# Altium PCB 相敏检波器.PcbDoc
Units mm, origin at the board's own origin, x right, y up, seen from the top; angles counter-clockwise.
Board outline 50 x 40 mm, 2 copper layers (Top Layer, Bottom Layer); 24 components, 11 nets, 71 pads, 16 vias.
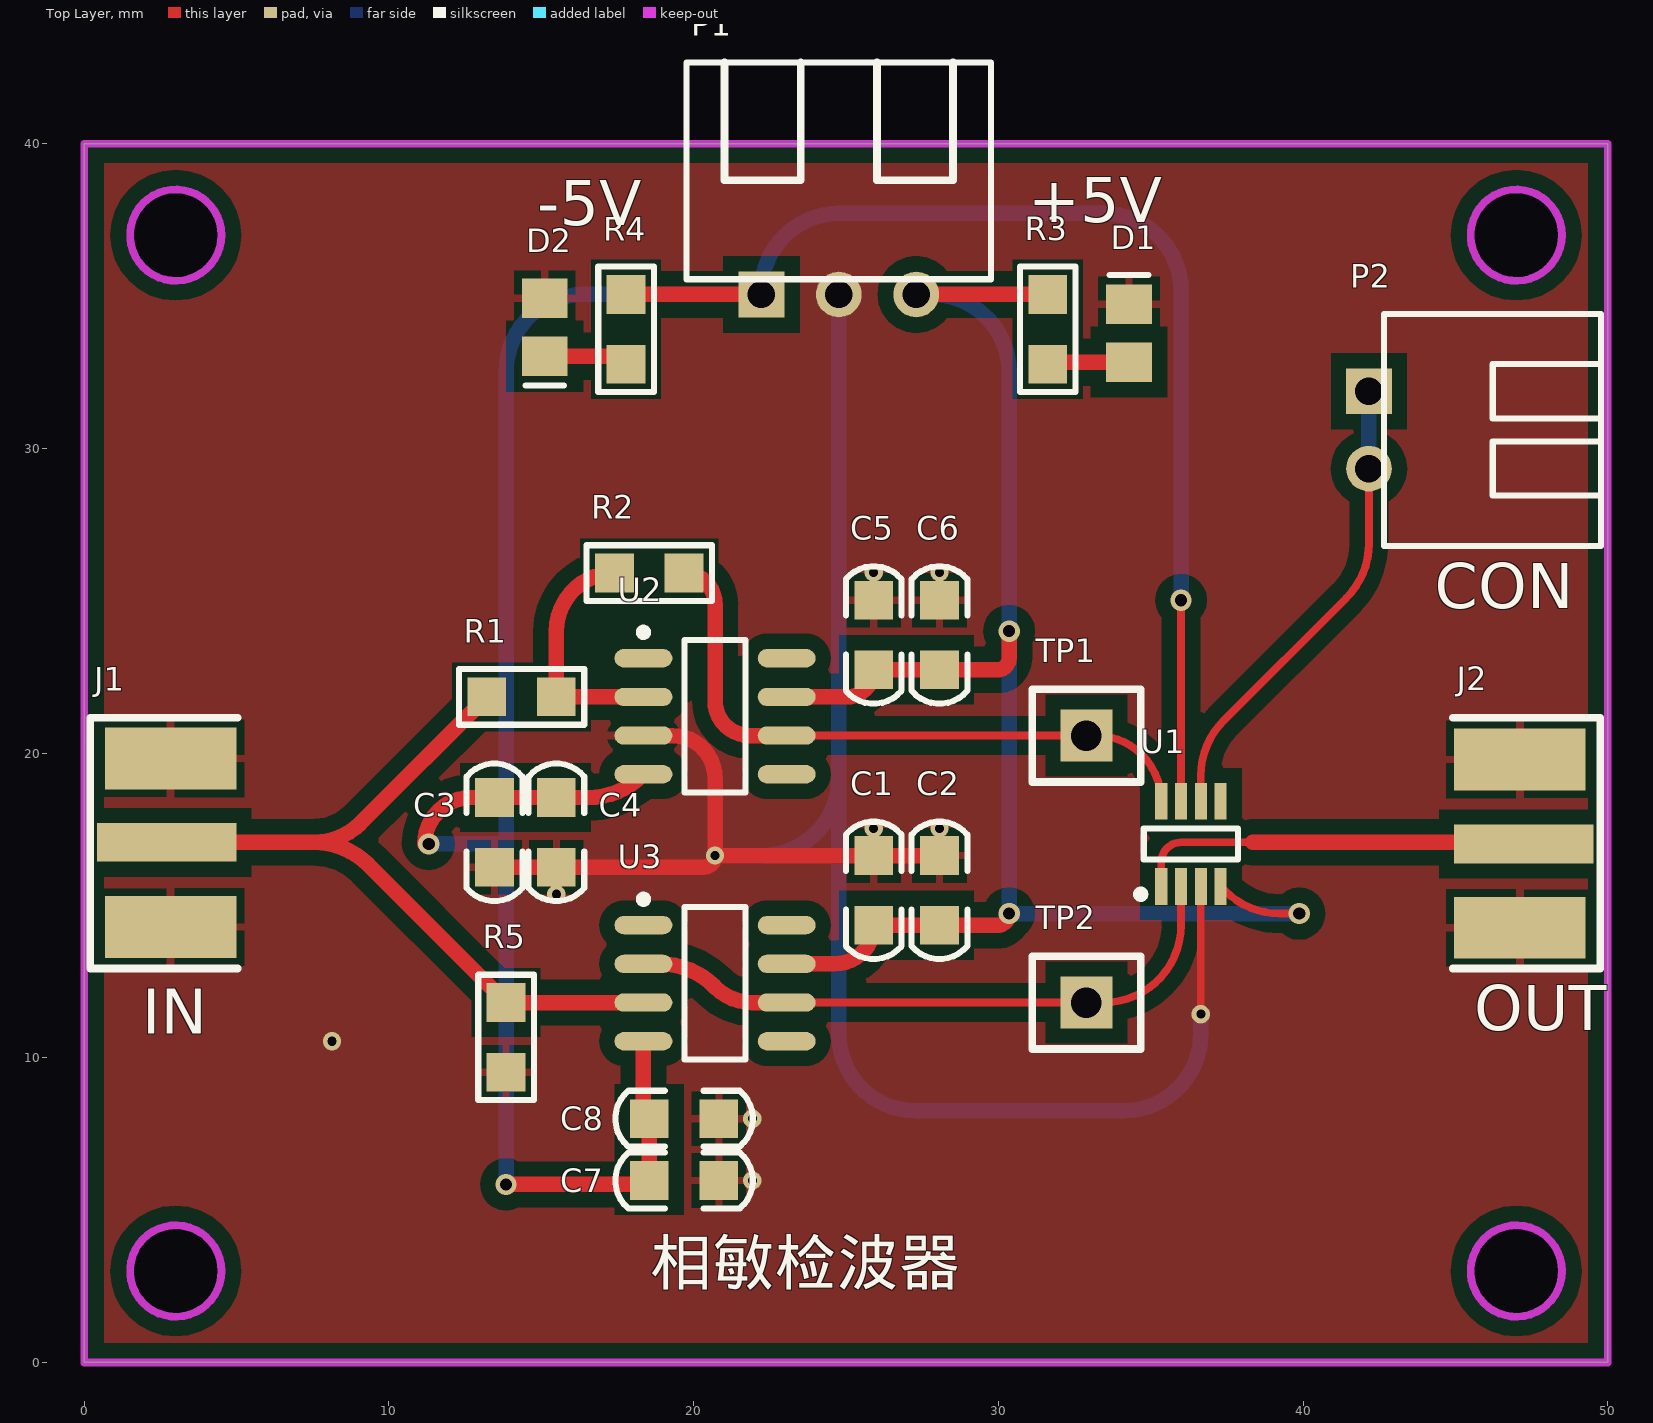
[diagram p0: Top Layer view]
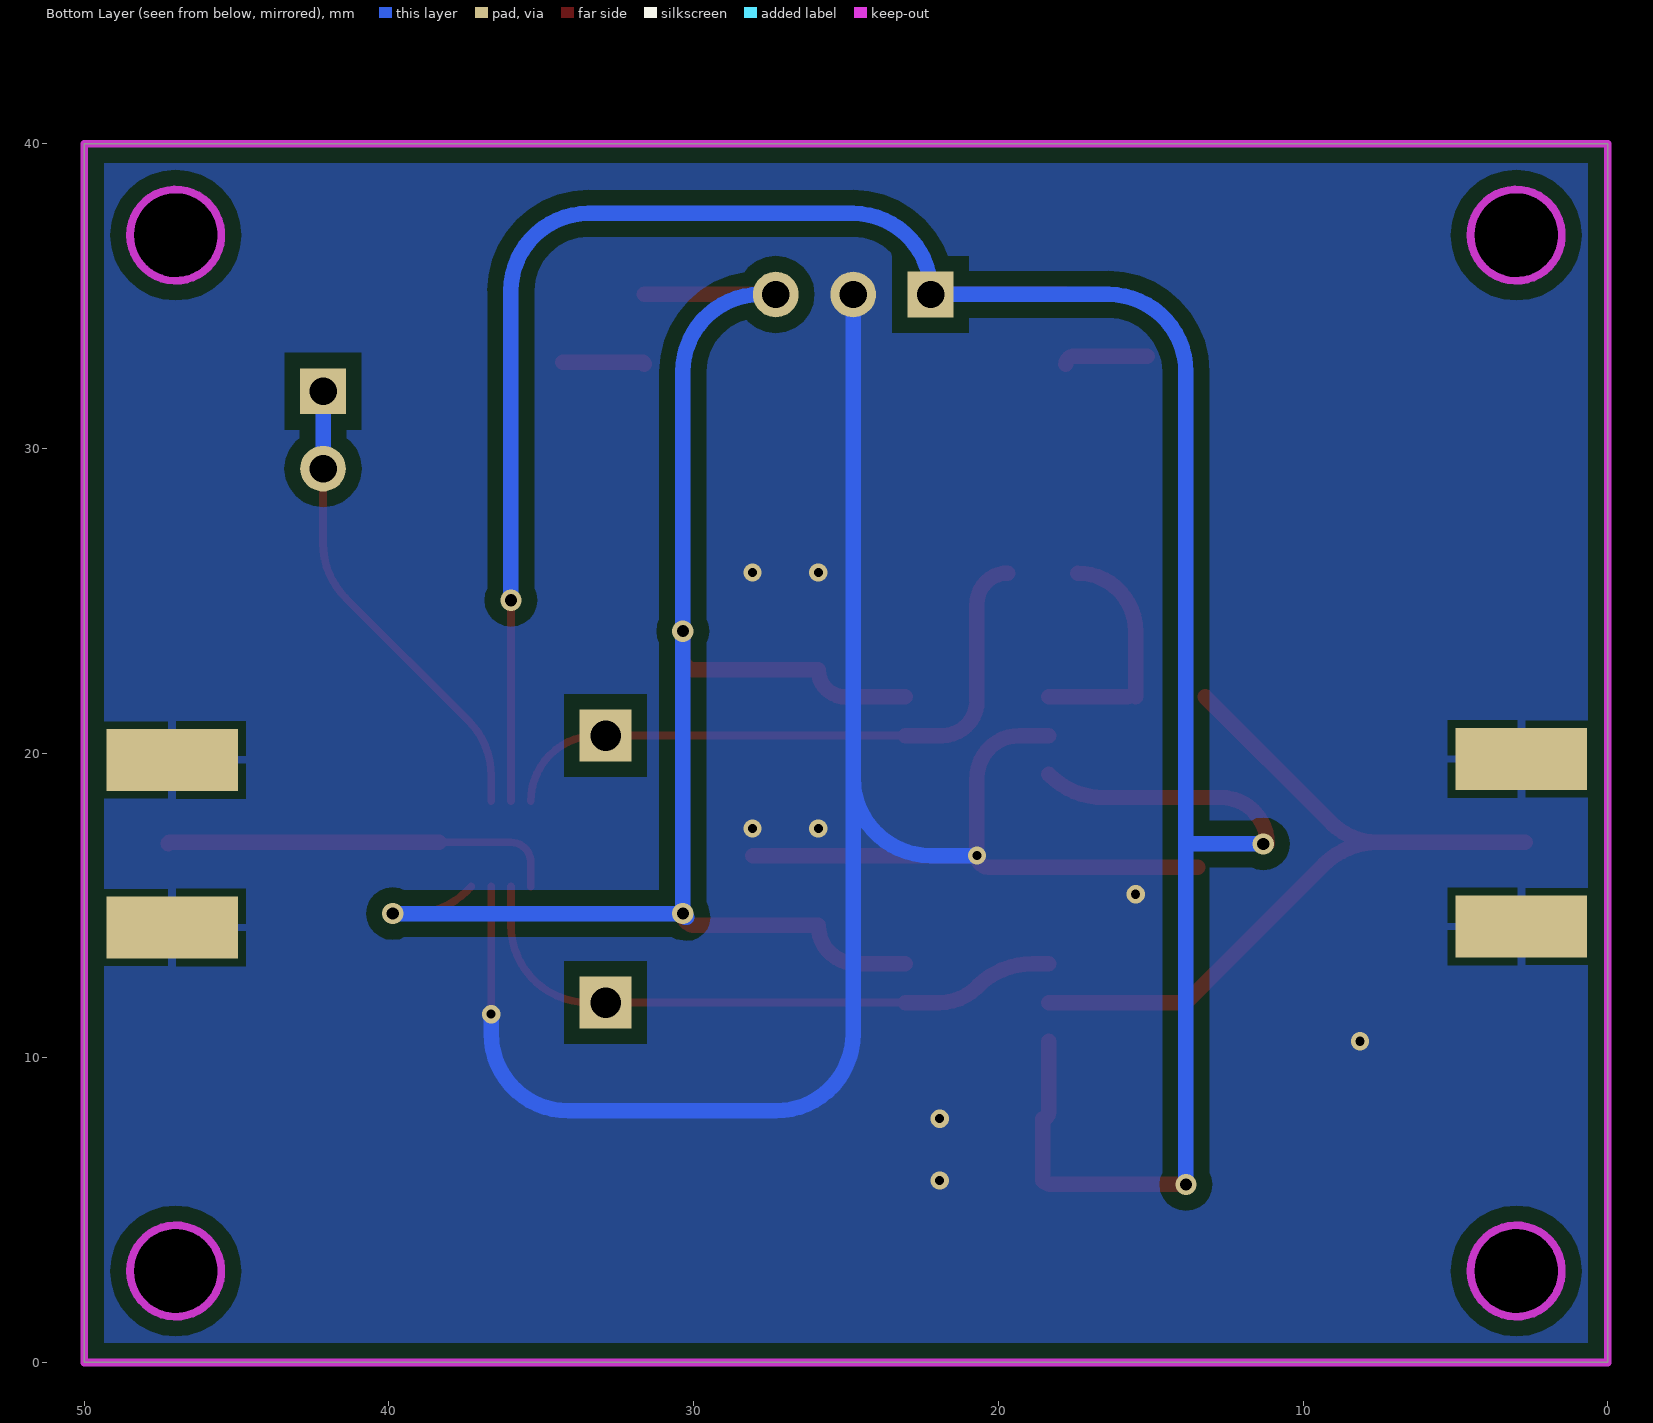
[diagram p1: Bottom Layer view, seen from below]
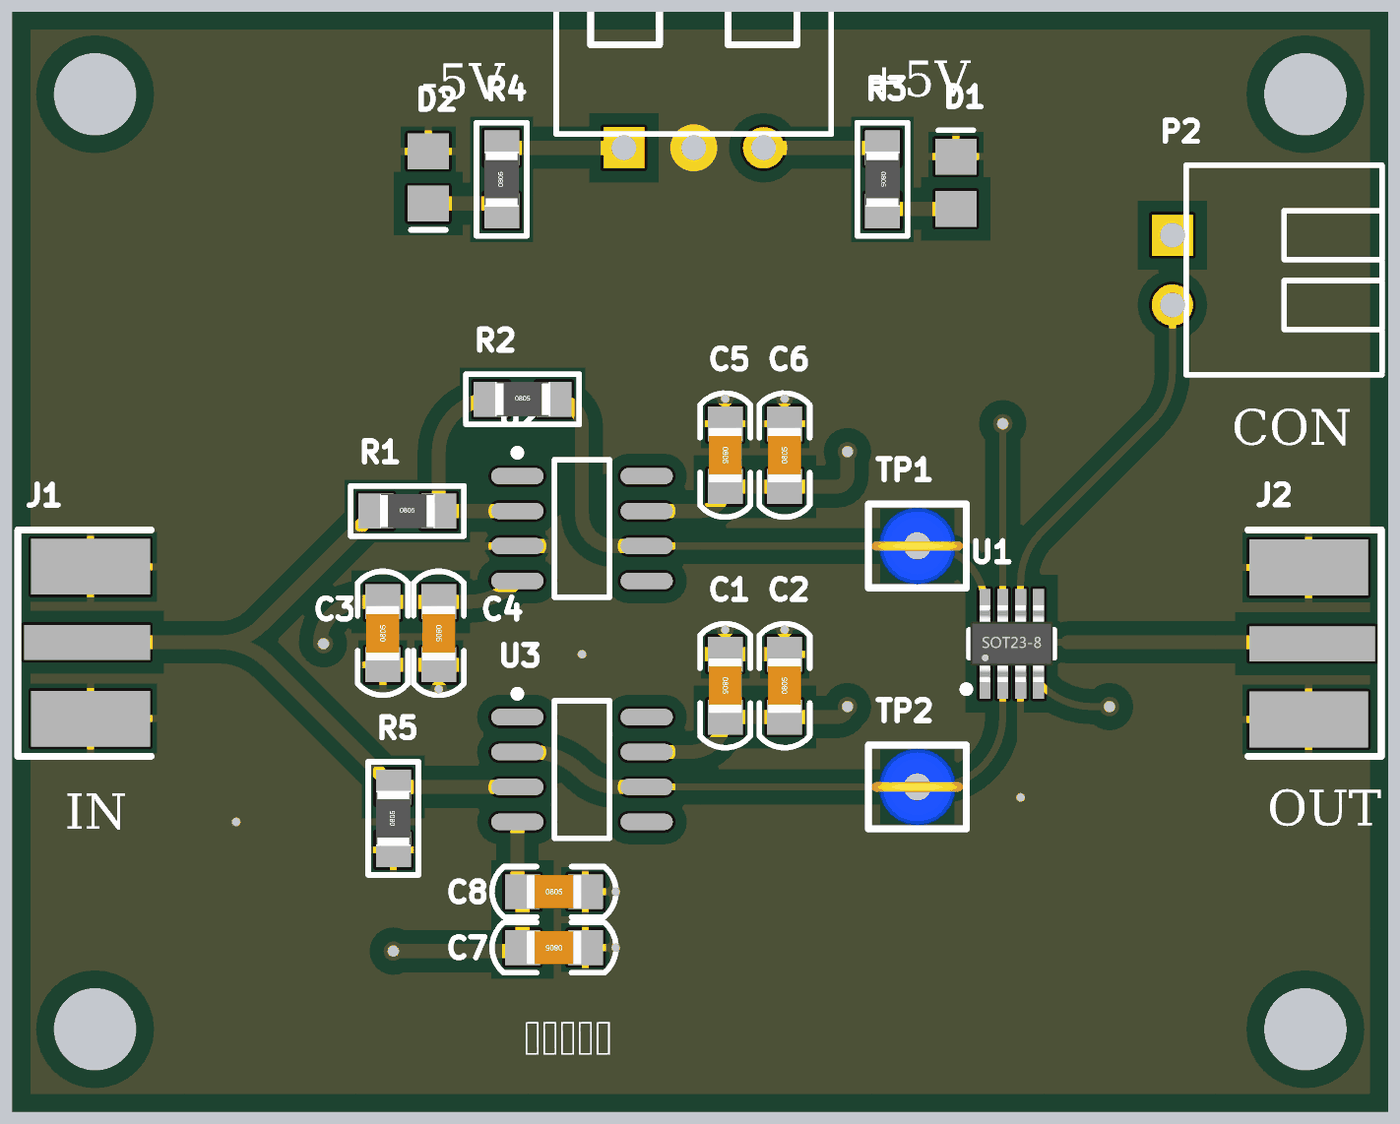
[diagram p2: 3D render of the assembled board from above, using the file's embedded part models]

## Layer stack, top to bottom
Top Solder: solder mask 0.0102, Solder Resist, Dk 3.5
Top Layer: signal copper 0.0356
Dielectric 1: dielectric 0.32, FR-4, Dk 4.8
Bottom Layer: signal copper 0.0356
Bottom Solder: solder mask 0.0102, Solder Resist, Dk 3.5

## Board outline
0,0 50,0 50,40 0,40
cut-out: 3,1.5 cw(c3,3) 1.5,3 cw(c3,3) 3,4.5 cw(c3,3) 4.5,3 cw(c3,3)
cut-out: 45.5,3 ccw(c47,3) 47,1.5 ccw(c47,3) 48.5,3 ccw(c47,3) 47,4.5 ccw(c47,3)
cut-out: 45.5,37 ccw(c47,37) 47,35.5 ccw(c47,37) 48.5,37 ccw(c47,37) 47,38.5 ccw(c47,37)
cut-out: 3,35.5 cw(c3,37) 1.5,37 cw(c3,37) 3,38.5 cw(c3,37) 4.5,37 cw(c3,37)

## Design rules (kind name [scope] priority, off if disabled: settings)
Clearance [All] p1: gap=0.203 ignorepadtopadclearanceinfootprint=FALSE except(0.508: Arc-Poly Track-Poly SMDPad-Poly THPad-Poly Via-Poly Fill-Poly Poly-Poly)
PolygonConnect [All] p1: thpad.connectstyle=Direct thpad.reliefconductorwidth=0.254 thpad.reliefentries=4 thpad.polygonreliefangle="90 Angle" thpad.airgapwidth=0.254 smdpad.connectstyle=Relief smdpad.reliefconductorwidth=0.254 smdpad.reliefentries=4 smdpad.polygonreliefangle="90 Angle" smdpad.airgapwidth=0.254 via.connectstyle=Direct via.reliefconductorwidth=0.254 via.reliefentries=4 via.polygonreliefangle="90 Angle" via.airgapwidth=0.254
RoutingVias [All] p1: holewidth=0.711 width=1.778 viastyle="Through Hole" minholewidth=0.3 minwidth=0.6 maxholewidth=0.711 maxwidth=2.54
SolderMaskExpansion [All] p1: expansion=0.102
Width [All] p1: maxlimit=1.27 minlimit=0.254 preferedwidth=0.508
30 further rules are at their usual default settings.

## Components (designator, comment, footprint, x,y, rotation, side; value= is the part's Value field where it differs from the comment)
C1 "104" "C 0805" 25.908,15.494 r270 top
C2 "6.8uf" "C 0805" 28.067,15.494 r90 top
C3 "104" "C 0805" 13.462,17.399 r90 top
C4 "6.8uf" "C 0805" 15.494,17.399 r270 top
C5 "104" "C 0805" 25.908,23.876 r270 top
C6 "6.8uf" "C 0805" 28.067,23.876 r90 top
C7 "104" "C 0805" 19.685,5.969 r180 top
C8 "6.8uf" "C 0805" 19.685,8.001 r0 top
D1 "LED" LED_0805 34.29,33.782 r90 top
D2 "LED" LED_0805 15.113,33.975 r270 top
J1 "COAX" MCX5.08-5-H 2.707,17.069 r180 top
J2 "COAX" MCX5.08-5-H 47.244,17.018 r0 top
P1 "Header 3" HDR3X1_B2 24.765,35.052 r0 top
P2 "Header 2" HDR2X1_B2 42.164,31.877 r270 top
R1 "20K" "R 0805" 14.351,21.844 r0 top
R2 "20K" "R 0805" 18.542,25.908 r0 top
R3 "1K" "R 0805" 31.623,33.909 r270 top
R4 "1K" "R 0805" 17.78,33.909 r90 top
R5 "1M" "R 0805" 13.843,10.668 r90 top
TP1 "TEST TP" "TEST TP1.4_B" 32.893,20.574 r0 top
TP2 "TEST TP" "TEST TP1.4_B" 32.893,11.811 r0 top
U1 "TS12A12511" SOT23-8N 36.322,17.018 r0 top
U2 "OP07" SO8_L 20.701,21.209 r0 top
U3 "OP07" SO8_L 20.701,12.446 r0 top

## Footprints (in the part's own frame and the unit in brackets; to place one, negate y for a bottom-side part, rotate by r counter-clockwise, add the part's x,y. Pads: shape width x height; smd on the part's side, far side on the other; paste and mask are expansions set on the pad)
"C 0805" [mil] "无极性贴片电容"
  rect 50x50 smd: 1(-45,0) 2(45,0)
  silkscreen extent -89,-36 89,36, body extent -39,-24 39,24, height 20
HDR2X1_B2 [mm] "Connector; Header; 4 Position"
  rect 1.5x1.5 hole 0.9: 1(0,0)
  round 1.5 hole 0.9: 2(2.54,0)
  silkscreen extent -2.54,0.5 5.08,7.62, body extent -2.54,0.38 5.08,7.62, height 5.5
HDR3X1_B2 [mm] "Connector; Header; 3 Position"
  rect 1.5x1.5 hole 0.9: 1(-2.54,0)
  round 1.5 hole 0.9: 2(0,0) 3(2.54,0)
  silkscreen extent -5,0.5 5,7.62, body extent -5,0.5 5,7.62, height 6
LED_0805 [mm] "贴片二极管"
  rect 1.3x1.5 smd: 1(-0.95,0) 2(0.95,0)
  silkscreen extent 1.91,-0.63 1.91,0.64
MCX5.08-5-H [mil]
  rect 180x50 smd: 1(0,0)
  rect 170x80 smd: 2(-5,109.25) 5(-5,-108.27)
  rect 170x80 smd far side: 3(-5,108.66) 4(-5,-107.87)
  silkscreen extent -92,-161 99,163, body extent -93,-132 80,134, height 39
"R 0805" [mil] "1/8W贴片电阻"
  rect 50x50 smd: 1(-45,0) 2(45,0)
  silkscreen extent -81,-36 81,36, body extent -39,-25 39,25, height 20
SO8_L [mm] "SOIC, 8-Leads, Body 4.9x3.9mm, Pitch 1.27mm, IPC High Density"
  oval 1.9x0.6 smd: 1(-2.35,1.905) 2(-2.35,0.635) 3(-2.35,-0.635) 4(-2.35,-1.905) 5(2.35,-1.905) 6(2.35,-0.635) 7(2.35,0.635) 8(2.35,1.905)
  silkscreen extent -2.47,-2.5 1,2.88, body extent -2,-2.5 2,2.5, height 1.75
SOT23-8N [mm] "3x1.6x1.1mm(长宽高)"
  rect 0.4x1.2 smd: 1(-0.975,-1.397) 2(-0.325,-1.397) 3(0.325,-1.397) 4(0.975,-1.397) 5(0.975,1.397) 6(0.325,1.397) 7(-0.325,1.397) 8(-0.975,1.397)
  silkscreen extent -1.78,-1.78 1.55,0.51, body extent -1.5,-1.4 1.5,1.4, height 1.15
"TEST TP1.4_B" [mm] "蓝色，测试环"
  rect 1.7x1.7 hole 1: 1(0,0)
  silkscreen extent -1.78,-1.52 1.78,1.52, body extent -1.67,-1.4 1.67,1.4, height 5.41

## Part data
C1 C2 C3 C4 C5 C6 C7 C8: library part C, "无极性贴片电容"
D1 D2: "发光二极管", LatestRevisionDate=08-Jul-2005, LatestRevisionNote="Mech Layer 1 removed.", PackageReference=LED, Published=8-Jun-2000, Publisher="Altium Limited"
P1 P2: "接插件", LatestRevisionDate=17-Jul-2002, LatestRevisionNote="Re-released for DXP Platform.", Publisher="Altium Limited"
R1 R2 R3 R4 R5: library part R, "贴片电阻"
TP1 TP2: "测试环"
U1: "具有负信号功能的 5Ω 单通道 SPDT 开关"
U2 U3: "Precision Operational Amplifiers"

## Via types
v1: diameter 0.6, hole 0.3, Top Layer to Bottom Layer, tented both sides, 10 vias
v2: diameter 0.7, hole 0.4, Top Layer to Bottom Layer, tented both sides, 6 vias

## Nets (pads, with @x,y where several pads share a name; then routed paths per layer and width w, separated by ;. In a path a pad name is that pad's centre, name@x,y a point inside that pad or via, vN(x,y) a via of type N, cw(c..) or ccw(c..) an arc to the next point about the centre after c; other vN are vias at no path point)
GND: C1.1 C2.2 C3.1 C4.2 C5.1 C6.2 C7.1 C8.2 D1.2 D2.1 J1.2 J1.3 J1.4 J1.5 J2.2 J2.3 J2.4 J2.5 P1.2 R5.1 U1.3 U2.3 | length 69.9
  Top Layer w0.254: v1(36.647,11.43) U1.3
  Top Layer w0.508: C3.1 C4.2 20.32,16.256 ccw(c20.32,16.637) v1(20.701,16.637) ; U2.3 19.304,20.574 cw(c19.304,19.177) 20.701,19.177 v1(20.701,16.637) ; C2.2 C1.1 v1(20.701,16.637)
  Bottom Layer w0.508: v1(20.701,16.637) 22.225,16.637 ccw(c22.225,19.177) 24.765,19.177 ; P1.2 24.765,19.177 ; v1(36.647,11.43) 36.647,10.795 cw(c34.107,10.795) 34.107,8.255 27.305,8.255 cw(c27.305,10.795) 24.765,10.795 24.765,19.177
  other v1: 21.927,5.969 21.927,8.001 8.128,10.541 15.494,15.367 25.908,17.527 28.067,17.527 25.908,25.925 28.067,25.925
NetD1_1: D1.1 R3.2 | length 2.7
  Top Layer w0.508: R3.2 cw(c31.689,32.766) 31.689,32.832 D1.1
NetD2_2: D2.2 R4.1 | length 2.8
  Top Layer w0.508: D2.2 17.521,33.025 cw(c17.521,32.766) R4.1
NetJ1_1: J1.1 R1.1 R5.2 U3.3 | length 25.3
  Top Layer w0.508: J1.1 7.533,17.069 ; R1.1 9.069,17.705 cw(c7.533,19.241) 7.533,17.069 ; U3.3 R5.2 9.329,16.325 ccw(c7.533,14.529) 7.533,17.069
NetJ2_1: J2.1 U1.1 | length 13.1
  Top Layer w0.254: U1.1 35.347,16.419 cw(c35.997,16.419) 35.997,17.069 38.354,17.069
  Top Layer w0.508: 38.354,17.069 47.193,17.069 cw(c47.193,17.018) J2.1
NetP2_1: P2.1 P2.2 U1.6 | length 15.5
  Top Layer w0.254: U1.6 36.647,19.263 cw(c39.187,19.263) 37.391,21.059 41.42,25.088 ccw(c39.624,26.884) 42.164,26.884 P2.2
  Bottom Layer w0.508: P2.2 P2.1
NetR1_2: R1.2 R2.1 U2.2 | length 7.8
  Top Layer w0.508: R1.2 15.494,24.003 cw(c17.399,24.003) R2.1 ; R1.2@15.748,21.844 U2.2
NetR2_2: R2.2 TP1.1 U1.8 U2.6 | length 21.3
  Top Layer w0.254: U2.6 33.188,20.574 cw(c33.188,18.415) U1.8
  Top Layer w0.508: R2.2 cw(c19.685,24.892) 20.701,24.892 20.701,21.717 ccw(c21.844,21.717) 21.844,20.574 U2.6
NetTP2_1: TP2.1 U1.2 U3.2 U3.6 | length 20.7
  Top Layer w0.254: U3.6 TP2.1 33.457,11.811 ccw(c33.457,14.351) 35.997,14.351 U1.2
  Top Layer w0.508: U3.2 18.887,13.081 cw(c18.887,10.541) 20.683,12.337 20.701,12.319 ccw(c21.927,13.545) 21.927,11.811 U3.6
VCC: C1.2 C2.1 C5.2 C6.1 P1.3 R3.1 U1.4 U2.7 U3.7 | length 56.5
  Top Layer w0.254: U1.4 37.442,15.476 ccw(c39.238,17.272) 39.238,14.732 v2(39.878,14.732)
  Top Layer w0.508: U3.7 24.638,13.081 ccw(c24.638,14.351) C1.2 C2.1 29.972,14.351 ccw(c29.972,14.732) v2(30.353,14.732) ; U2.7 25.019,21.844 ccw(c25.019,22.733) C5.2 C6.1 29.972,22.733 ccw(c29.972,23.114) 30.353,23.114 v2(30.353,24.003) ; P1.3 R3.1
  Bottom Layer w0.508: P1.3 27.813,35.052 cw(c27.813,32.512) 30.353,32.512 v2(30.353,24.003) 30.353,14.912 cw(c29.919,14.912) 30.226,14.605 ccw(c30.226,14.732) v2(30.353,14.732) v2(39.878,14.732)
VEE: C3.2 C4.1 C7.2 C8.1 P1.1 R4.2 U1.7 U2.4 U3.4 | length 94.8
  Top Layer w0.254: U1.7 v2(35.997,25.019)
  Top Layer w0.508: v2(11.303,17.018) 11.176,17.018 cw(c12.7,17.018) 12.7,18.542 C3.2 C4.1 16.537,18.542 ccw(c16.537,21.082) 18.333,19.286 U2.4 ; v2(13.843,5.842) 18.235,5.842 ccw(c18.235,6.276) C7.2 C8.1 cw(c18.542,8.192) 18.351,8.192 U3.4 ; R4.2 P1.1
  Bottom Layer w0.508: v2(11.303,17.018) 13.843,17.018 ; v2(13.843,5.842) 13.843,17.018 ; v2(35.997,25.019) 35.997,35.171 ccw(c33.457,35.171) 33.457,37.711 24.765,37.711 ccw(c24.765,35.171) 22.225,35.171 P1.1 16.383,35.052 ccw(c16.383,32.512) 13.843,32.512 13.843,17.018
pads on no net: U1.5 U2.1 U2.5 U2.8 U3.1 U3.5 U3.8

## Polygon pours and split planes (outlines as drawn)
GND on Bottom Layer "Top Layer-No Net1" (solid, remove dead copper, pour order 20): 0,0 50,0 50,40 0,40
GND on Top Layer "Top Layer-No Net" (solid, remove dead copper, pour order 19): 0,0 50,0 50,40 0,40

## Keep-outs
Keep-Out Layer:
  circle w0.254: c3,3 r1.5
  circle w0.254: c47,3 r1.5
  circle w0.254: c47,37 r1.5
  circle w0.254: c3,37 r1.5
  lines w0.254: 0,0 0,40 50,40 50,0 0,0

## Silkscreen, mask and mechanical layers (free items; w line width, h text height)
Top Overlay:
  text "+5V" at 30.988,36.926 h2.54
  text "-5V" at 14.859,36.83 h2.54
  text "CON" at 44.323,24.257 h2.54
  text "OUT" at 45.614,10.414 h2.54
  text "IN" at 1.905,10.287 h2.54
  text "相敏检波器" at 18.592,2.079 h2.54